# Allegro board LED_FIN.brd (continued)
## Routing (per net, layer and track width the routed paths; a pad name or vN(x,y) marks a point on that pad's centre or on a via; arc(x,y) is an arc through that point) (continued)
ROW_OUT_B17: length 240
  TOP w0.6: D5161.3 D5162.3 D5163.3 D5164.3 D5165.3 D5166.3 D5167.3 D5168.3 D5169.3 D5170.3 D5171.3 D5172.3 D5173.3 D5174.3 D5175.3 D5176.3 D5177.3 D5178.3 D5179.3 D5180.3 D5181.3 D5182.3 D5183.3 D5184.3 D5185.3 D5186.3 D5187.3 D5188.3 D5189.3 D5190.3 D6301.3 D6302.3 D6303.3 D6304.3 D6305.3 D6306.3 D6307.3 D6308.3 D6309.3 D6310.3 D6311.3 D6312.3 D6313.3 D6314.3 D6315.3 D6316.3 D6317.3 D6318.3 D6319.3 D6320.3 D6321.3 D6322.3 D6323.3 D6324.3 D6325.3 D6326.3 D6327.3 D6328.3 D6329.3 D6330.3 D7441.3 D7442.3 D7443.3 D7444.3 D7445.3 D7446.3 D7447.3 D7448.3 D7449.3 D7450.3 D7451.3 D7452.3 D7453.3 D7454.3 D7455.3 D7456.3 D7457.3 D7458.3 D7459.3 D7460.3 D7461.3 D7462.3 D7463.3 D7464.3 D7465.3 D7466.3 D7467.3 D7468.3 D7469.3 D7470.3 D8581.3 D8582.3 D8583.3 D8584.3 D8585.3 D8586.3 D8587.3 D8588.3 D8589.3 D8590.3 D8591.3 D8592.3 D8593.3 D8594.3 D8595.3 D8596.3 D8597.3 D8598.3 D8599.3 D8600.3 D8601.3 D8602.3 D8603.3 D8604.3 D8605.3 D8606.3 D8607.3 D8608.3 D8609.3 D8610.3 276.75,277.7 U59.1
ROW_OUT_B18: length 240
  TOP w0.6: U58.1 276.75,279.7 D8580.3 D8579.3 D8578.3 D8577.3 D8576.3 D8575.3 D8574.3 D8573.3 D8572.3 D8571.3 D8570.3 D8569.3 D8568.3 D8567.3 D8566.3 D8565.3 D8564.3 D8563.3 D8562.3 D8561.3 D8560.3 D8559.3 D8558.3 D8557.3 D8556.3 D8555.3 D8554.3 D8553.3 D8552.3 D8551.3 D7440.3 D7439.3 D7438.3 D7437.3 D7436.3 D7435.3 D7434.3 D7433.3 D7432.3 D7431.3 D7430.3 D7429.3 D7428.3 D7427.3 D7426.3 D7425.3 D7424.3 D7423.3 D7422.3 D7421.3 D7420.3 D7419.3 D7418.3 D7417.3 D7416.3 D7415.3 D7414.3 D7413.3 D7412.3 D7411.3 D6300.3 D6299.3 D6298.3 D6297.3 D6296.3 D6295.3 D6294.3 D6293.3 D6292.3 D6291.3 D6290.3 D6289.3 D6288.3 D6287.3 D6286.3 D6285.3 D6284.3 D6283.3 D6282.3 D6281.3 D6280.3 D6279.3 D6278.3 D6277.3 D6276.3 D6275.3 D6274.3 D6273.3 D6272.3 D6271.3 D5160.3 D5159.3 D5158.3 D5157.3 D5156.3 D5155.3 D5154.3 D5153.3 D5152.3 D5151.3 D5150.3 D5149.3 D5148.3 D5147.3 D5146.3 D5145.3 D5144.3 D5143.3 D5142.3 D5141.3 D5140.3 D5139.3 D5138.3 D5137.3 D5136.3 D5135.3 D5134.3 D5133.3 D5132.3 D5131.3
ROW_OUT_B19: length 240
  TOP w0.6: D5101.3 D5102.3 D5103.3 D5104.3 D5105.3 D5106.3 D5107.3 D5108.3 D5109.3 D5110.3 D5111.3 D5112.3 D5113.3 D5114.3 D5115.3 D5116.3 D5117.3 D5118.3 D5119.3 D5120.3 D5121.3 D5122.3 D5123.3 D5124.3 D5125.3 D5126.3 D5127.3 D5128.3 D5129.3 D5130.3 D6241.3 D6242.3 D6243.3 D6244.3 D6245.3 D6246.3 D6247.3 D6248.3 D6249.3 D6250.3 D6251.3 D6252.3 D6253.3 D6254.3 D6255.3 D6256.3 D6257.3 D6258.3 D6259.3 D6260.3 D6261.3 D6262.3 D6263.3 D6264.3 D6265.3 D6266.3 D6267.3 D6268.3 D6269.3 D6270.3 D7381.3 D7382.3 D7383.3 D7384.3 D7385.3 D7386.3 D7387.3 D7388.3 D7389.3 D7390.3 D7391.3 D7392.3 D7393.3 D7394.3 D7395.3 D7396.3 D7397.3 D7398.3 D7399.3 D7400.3 D7401.3 D7402.3 D7403.3 D7404.3 D7405.3 D7406.3 D7407.3 D7408.3 D7409.3 D7410.3 D8521.3 D8522.3 D8523.3 D8524.3 D8525.3 D8526.3 D8527.3 D8528.3 D8529.3 D8530.3 D8531.3 D8532.3 D8533.3 D8534.3 D8535.3 D8536.3 D8537.3 D8538.3 D8539.3 D8540.3 D8541.3 D8542.3 D8543.3 D8544.3 D8545.3 D8546.3 D8547.3 D8548.3 D8549.3 D8550.3 276.75,281.7 U57.1
ROW_OUT_B20: length 240
  TOP w0.6: U56.1 276.75,283.7 D8520.3 D8519.3 D8518.3 D8517.3 D8516.3 D8515.3 D8514.3 D8513.3 D8512.3 D8511.3 D8510.3 D8509.3 D8508.3 D8507.3 D8506.3 D8505.3 D8504.3 D8503.3 D8502.3 D8501.3 D8500.3 D8499.3 D8498.3 D8497.3 D8496.3 D8495.3 D8494.3 D8493.3 D8492.3 D8491.3 D7380.3 D7379.3 D7378.3 D7377.3 D7376.3 D7375.3 D7374.3 D7373.3 D7372.3 D7371.3 D7370.3 D7369.3 D7368.3 D7367.3 D7366.3 D7365.3 D7364.3 D7363.3 D7362.3 D7361.3 D7360.3 D7359.3 D7358.3 D7357.3 D7356.3 D7355.3 D7354.3 D7353.3 D7352.3 D7351.3 D6240.3 D6239.3 D6238.3 D6237.3 D6236.3 D6235.3 D6234.3 D6233.3 D6232.3 D6231.3 D6230.3 D6229.3 D6228.3 D6227.3 D6226.3 D6225.3 D6224.3 D6223.3 D6222.3 D6221.3 D6220.3 D6219.3 D6218.3 D6217.3 D6216.3 D6215.3 D6214.3 D6213.3 D6212.3 D6211.3 D5100.3 D5099.3 D5098.3 D5097.3 D5096.3 D5095.3 D5094.3 D5093.3 D5092.3 D5091.3 D5090.3 D5089.3 D5088.3 D5087.3 D5086.3 D5085.3 D5084.3 D5083.3 D5082.3 D5081.3 D5080.3 D5079.3 D5078.3 D5077.3 D5076.3 D5075.3 D5074.3 D5073.3 D5072.3 D5071.3
ROW_OUT_B21: length 240
  TOP w0.6: U55.1 276.75,285.7 D8490.3 D8489.3 D8488.3 D8487.3 D8486.3 D8485.3 D8484.3 D8483.3 D8482.3 D8481.3 D8480.3 D8479.3 D8478.3 D8477.3 D8476.3 D8475.3 D8474.3 D8473.3 D8472.3 D8471.3 D8470.3 D8469.3 D8468.3 D8467.3 D8466.3 D8465.3 D8464.3 D8463.3 D8462.3 D8461.3 D7350.3 D7349.3 D7348.3 D7347.3 D7346.3 D7345.3 D7344.3 D7343.3 D7342.3 D7341.3 D7340.3 D7339.3 D7338.3 D7337.3 D7336.3 D7335.3 D7334.3 D7333.3 D7332.3 D7331.3 D7330.3 D7329.3 D7328.3 D7327.3 D7326.3 D7325.3 D7324.3 D7323.3 D7322.3 D7321.3 D6210.3 D6209.3 D6208.3 D6207.3 D6206.3 D6205.3 D6204.3 D6203.3 D6202.3 D6201.3 D6200.3 D6199.3 D6198.3 D6197.3 D6196.3 D6195.3 D6194.3 D6193.3 D6192.3 D6191.3 D6190.3 D6189.3 D6188.3 D6187.3 D6186.3 D6185.3 D6184.3 D6183.3 D6182.3 D6181.3 D5070.3 D5069.3 D5068.3 D5067.3 D5066.3 D5065.3 D5064.3 D5063.3 D5062.3 D5061.3 D5060.3 D5059.3 D5058.3 D5057.3 D5056.3 D5055.3 D5054.3 D5053.3 D5052.3 D5051.3 D5050.3 D5049.3 D5048.3 D5047.3 D5046.3 D5045.3 D5044.3 D5043.3 D5042.3 D5041.3
ROW_OUT_B22: length 240
  TOP w0.6: U54.1 276.75,287.7 D8460.3 D8459.3 D8458.3 D8457.3 D8456.3 D8455.3 D8454.3 D8453.3 D8452.3 D8451.3 D8450.3 D8449.3 D8448.3 D8447.3 D8446.3 D8445.3 D8444.3 D8443.3 D8442.3 D8441.3 D8440.3 D8439.3 D8438.3 D8437.3 D8436.3 D8435.3 D8434.3 D8433.3 D8432.3 D8431.3 D7320.3 D7319.3 D7318.3 D7317.3 D7316.3 D7315.3 D7314.3 D7313.3 D7312.3 D7311.3 D7310.3 D7309.3 D7308.3 D7307.3 D7306.3 D7305.3 D7304.3 D7303.3 D7302.3 D7301.3 D7300.3 D7299.3 D7298.3 D7297.3 D7296.3 D7295.3 D7294.3 D7293.3 D7292.3 D7291.3 D6180.3 D6179.3 D6178.3 D6177.3 D6176.3 D6175.3 D6174.3 D6173.3 D6172.3 D6171.3 D6170.3 D6169.3 D6168.3 D6167.3 D6166.3 D6165.3 D6164.3 D6163.3 D6162.3 D6161.3 D6160.3 D6159.3 D6158.3 D6157.3 D6156.3 D6155.3 D6154.3 D6153.3 D6152.3 D6151.3 D5040.3 D5039.3 D5038.3 D5037.3 D5036.3 D5035.3 D5034.3 D5033.3 D5032.3 D5031.3 D5030.3 D5029.3 D5028.3 D5027.3 D5026.3 D5025.3 D5024.3 D5023.3 D5022.3 D5021.3 D5020.3 D5019.3 D5018.3 D5017.3 D5016.3 D5015.3 D5014.3 D5013.3 D5012.3 D5011.3
ROW_OUT_B23: length 240
  TOP w0.6: D4981.3 D4982.3 D4983.3 D4984.3 D4985.3 D4986.3 D4987.3 D4988.3 D4989.3 D4990.3 D4991.3 D4992.3 D4993.3 D4994.3 D4995.3 D4996.3 D4997.3 D4998.3 D4999.3 D5000.3 D5001.3 D5002.3 D5003.3 D5004.3 D5005.3 D5006.3 D5007.3 D5008.3 D5009.3 D5010.3 D6121.3 D6122.3 D6123.3 D6124.3 D6125.3 D6126.3 D6127.3 D6128.3 D6129.3 D6130.3 D6131.3 D6132.3 D6133.3 D6134.3 D6135.3 D6136.3 D6137.3 D6138.3 D6139.3 D6140.3 D6141.3 D6142.3 D6143.3 D6144.3 D6145.3 D6146.3 D6147.3 D6148.3 D6149.3 D6150.3 D7261.3 D7262.3 D7263.3 D7264.3 D7265.3 D7266.3 D7267.3 D7268.3 D7269.3 D7270.3 D7271.3 D7272.3 D7273.3 D7274.3 D7275.3 D7276.3 D7277.3 D7278.3 D7279.3 D7280.3 D7281.3 D7282.3 D7283.3 D7284.3 D7285.3 D7286.3 D7287.3 D7288.3 D7289.3 D7290.3 D8401.3 D8402.3 D8403.3 D8404.3 D8405.3 D8406.3 D8407.3 D8408.3 D8409.3 D8410.3 D8411.3 D8412.3 D8413.3 D8414.3 D8415.3 D8416.3 D8417.3 D8418.3 D8419.3 D8420.3 D8421.3 D8422.3 D8423.3 D8424.3 D8425.3 D8426.3 D8427.3 D8428.3 D8429.3 D8430.3 276.75,289.7 U53.1
ROW_OUT_B24: length 240
  TOP w0.6: D4951.3 D4952.3 D4953.3 D4954.3 D4955.3 D4956.3 D4957.3 D4958.3 D4959.3 D4960.3 D4961.3 D4962.3 D4963.3 D4964.3 D4965.3 D4966.3 D4967.3 D4968.3 D4969.3 D4970.3 D4971.3 D4972.3 D4973.3 D4974.3 D4975.3 D4976.3 D4977.3 D4978.3 D4979.3 D4980.3 D6091.3 D6092.3 D6093.3 D6094.3 D6095.3 D6096.3 D6097.3 D6098.3 D6099.3 D6100.3 D6101.3 D6102.3 D6103.3 D6104.3 D6105.3 D6106.3 D6107.3 D6108.3 D6109.3 D6110.3 D6111.3 D6112.3 D6113.3 D6114.3 D6115.3 D6116.3 D6117.3 D6118.3 D6119.3 D6120.3 D7231.3 D7232.3 D7233.3 D7234.3 D7235.3 D7236.3 D7237.3 D7238.3 D7239.3 D7240.3 D7241.3 D7242.3 D7243.3 D7244.3 D7245.3 D7246.3 D7247.3 D7248.3 D7249.3 D7250.3 D7251.3 D7252.3 D7253.3 D7254.3 D7255.3 D7256.3 D7257.3 D7258.3 D7259.3 D7260.3 D8371.3 D8372.3 D8373.3 D8374.3 D8375.3 D8376.3 D8377.3 D8378.3 D8379.3 D8380.3 D8381.3 D8382.3 D8383.3 D8384.3 D8385.3 D8386.3 D8387.3 D8388.3 D8389.3 D8390.3 D8391.3 D8392.3 D8393.3 D8394.3 D8395.3 D8396.3 D8397.3 D8398.3 D8399.3 D8400.3 276.75,291.7 U52.1
ROW_OUT_B25: length 240
  TOP w0.6: U51.1 276.75,293.7 D8370.3 D8369.3 D8368.3 D8367.3 D8366.3 D8365.3 D8364.3 D8363.3 D8362.3 D8361.3 D8360.3 D8359.3 D8358.3 D8357.3 D8356.3 D8355.3 D8354.3 D8353.3 D8352.3 D8351.3 D8350.3 D8349.3 D8348.3 D8347.3 D8346.3 D8345.3 D8344.3 D8343.3 D8342.3 D8341.3 D7230.3 D7229.3 D7228.3 D7227.3 D7226.3 D7225.3 D7224.3 D7223.3 D7222.3 D7221.3 D7220.3 D7219.3 D7218.3 D7217.3 D7216.3 D7215.3 D7214.3 D7213.3 D7212.3 D7211.3 D7210.3 D7209.3 D7208.3 D7207.3 D7206.3 D7205.3 D7204.3 D7203.3 D7202.3 D7201.3 D6090.3 D6089.3 D6088.3 D6087.3 D6086.3 D6085.3 D6084.3 D6083.3 D6082.3 D6081.3 D6080.3 D6079.3 D6078.3 D6077.3 D6076.3 D6075.3 D6074.3 D6073.3 D6072.3 D6071.3 D6070.3 D6069.3 D6068.3 D6067.3 D6066.3 D6065.3 D6064.3 D6063.3 D6062.3 D6061.3 D4950.3 D4949.3 D4948.3 D4947.3 D4946.3 D4945.3 D4944.3 D4943.3 D4942.3 D4941.3 D4940.3 D4939.3 D4938.3 D4937.3 D4936.3 D4935.3 D4934.3 D4933.3 D4932.3 D4931.3 D4930.3 D4929.3 D4928.3 D4927.3 D4926.3 D4925.3 D4924.3 D4923.3 D4922.3 D4921.3
ROW_OUT_B26: length 240
  TOP w0.6: U50.1 276.75,295.7 D8340.3 D8339.3 D8338.3 D8337.3 D8336.3 D8335.3 D8334.3 D8333.3 D8332.3 D8331.3 D8330.3 D8329.3 D8328.3 D8327.3 D8326.3 D8325.3 D8324.3 D8323.3 D8322.3 D8321.3 D8320.3 D8319.3 D8318.3 D8317.3 D8316.3 D8315.3 D8314.3 D8313.3 D8312.3 D8311.3 D7200.3 D7199.3 D7198.3 D7197.3 D7196.3 D7195.3 D7194.3 D7193.3 D7192.3 D7191.3 D7190.3 D7189.3 D7188.3 D7187.3 D7186.3 D7185.3 D7184.3 D7183.3 D7182.3 D7181.3 D7180.3 D7179.3 D7178.3 D7177.3 D7176.3 D7175.3 D7174.3 D7173.3 D7172.3 D7171.3 D6060.3 D6059.3 D6058.3 D6057.3 D6056.3 D6055.3 D6054.3 D6053.3 D6052.3 D6051.3 D6050.3 D6049.3 D6048.3 D6047.3 D6046.3 D6045.3 D6044.3 D6043.3 D6042.3 D6041.3 D6040.3 D6039.3 D6038.3 D6037.3 D6036.3 D6035.3 D6034.3 D6033.3 D6032.3 D6031.3 D4920.3 D4919.3 D4918.3 D4917.3 D4916.3 D4915.3 D4914.3 D4913.3 D4912.3 D4911.3 D4910.3 D4909.3 D4908.3 D4907.3 D4906.3 D4905.3 D4904.3 D4903.3 D4902.3 D4901.3 D4900.3 D4899.3 D4898.3 D4897.3 D4896.3 D4895.3 D4894.3 D4893.3 D4892.3 D4891.3
ROW_OUT_B27: length 240
  TOP w0.6: U49.1 276.75,297.7 D8310.3 D8309.3 D8308.3 D8307.3 D8306.3 D8305.3 D8304.3 D8303.3 D8302.3 D8301.3 D8300.3 D8299.3 D8298.3 D8297.3 D8296.3 D8295.3 D8294.3 D8293.3 D8292.3 D8291.3 D8290.3 D8289.3 D8288.3 D8287.3 D8286.3 D8285.3 D8284.3 D8283.3 D8282.3 D8281.3 D7170.3 D7169.3 D7168.3 D7167.3 D7166.3 D7165.3 D7164.3 D7163.3 D7162.3 D7161.3 D7160.3 D7159.3 D7158.3 D7157.3 D7156.3 D7155.3 D7154.3 D7153.3 D7152.3 D7151.3 D7150.3 D7149.3 D7148.3 D7147.3 D7146.3 D7145.3 D7144.3 D7143.3 D7142.3 D7141.3 D6030.3 D6029.3 D6028.3 D6027.3 D6026.3 D6025.3 D6024.3 D6023.3 D6022.3 D6021.3 D6020.3 D6019.3 D6018.3 D6017.3 D6016.3 D6015.3 D6014.3 D6013.3 D6012.3 D6011.3 D6010.3 D6009.3 D6008.3 D6007.3 D6006.3 D6005.3 D6004.3 D6003.3 D6002.3 D6001.3 D4890.3 D4889.3 D4888.3 D4887.3 D4886.3 D4885.3 D4884.3 D4883.3 D4882.3 D4881.3 D4880.3 D4879.3 D4878.3 D4877.3 D4876.3 D4875.3 D4874.3 D4873.3 D4872.3 D4871.3 D4870.3 D4869.3 D4868.3 D4867.3 D4866.3 D4865.3 D4864.3 D4863.3 D4862.3 D4861.3
ROW_OUT_B28: length 240
  TOP w0.6: D4831.3 D4832.3 D4833.3 D4834.3 D4835.3 D4836.3 D4837.3 D4838.3 D4839.3 D4840.3 D4841.3 D4842.3 D4843.3 D4844.3 D4845.3 D4846.3 D4847.3 D4848.3 D4849.3 D4850.3 D4851.3 D4852.3 D4853.3 D4854.3 D4855.3 D4856.3 D4857.3 D4858.3 D4859.3 D4860.3 D5971.3 D5972.3 D5973.3 D5974.3 D5975.3 D5976.3 D5977.3 D5978.3 D5979.3 D5980.3 D5981.3 D5982.3 D5983.3 D5984.3 D5985.3 D5986.3 D5987.3 D5988.3 D5989.3 D5990.3 D5991.3 D5992.3 D5993.3 D5994.3 D5995.3 D5996.3 D5997.3 D5998.3 D5999.3 D6000.3 D7111.3 D7112.3 D7113.3 D7114.3 D7115.3 D7116.3 D7117.3 D7118.3 D7119.3 D7120.3 D7121.3 D7122.3 D7123.3 D7124.3 D7125.3 D7126.3 D7127.3 D7128.3 D7129.3 D7130.3 D7131.3 D7132.3 D7133.3 D7134.3 D7135.3 D7136.3 D7137.3 D7138.3 D7139.3 D7140.3 D8251.3 D8252.3 D8253.3 D8254.3 D8255.3 D8256.3 D8257.3 D8258.3 D8259.3 D8260.3 D8261.3 D8262.3 D8263.3 D8264.3 D8265.3 D8266.3 D8267.3 D8268.3 D8269.3 D8270.3 D8271.3 D8272.3 D8273.3 D8274.3 D8275.3 D8276.3 D8277.3 D8278.3 D8279.3 D8280.3 276.75,299.7 U48.1
ROW_OUT_B29: length 240
  TOP w0.6: U47.1 276.75,301.7 D8250.3 D8249.3 D8248.3 D8247.3 D8246.3 D8245.3 D8244.3 D8243.3 D8242.3 D8241.3 D8240.3 D8239.3 D8238.3 D8237.3 D8236.3 D8235.3 D8234.3 D8233.3 D8232.3 D8231.3 D8230.3 D8229.3 D8228.3 D8227.3 D8226.3 D8225.3 D8224.3 D8223.3 D8222.3 D8221.3 D7110.3 D7109.3 D7108.3 D7107.3 D7106.3 D7105.3 D7104.3 D7103.3 D7102.3 D7101.3 D7100.3 D7099.3 D7098.3 D7097.3 D7096.3 D7095.3 D7094.3 D7093.3 D7092.3 D7091.3 D7090.3 D7089.3 D7088.3 D7087.3 D7086.3 D7085.3 D7084.3 D7083.3 D7082.3 D7081.3 D5970.3 D5969.3 D5968.3 D5967.3 D5966.3 D5965.3 D5964.3 D5963.3 D5962.3 D5961.3 D5960.3 D5959.3 D5958.3 D5957.3 D5956.3 D5955.3 D5954.3 D5953.3 D5952.3 D5951.3 D5950.3 D5949.3 D5948.3 D5947.3 D5946.3 D5945.3 D5944.3 D5943.3 D5942.3 D5941.3 D4830.3 D4829.3 D4828.3 D4827.3 D4826.3 D4825.3 D4824.3 D4823.3 D4822.3 D4821.3 D4820.3 D4819.3 D4818.3 D4817.3 D4816.3 D4815.3 D4814.3 D4813.3 D4812.3 D4811.3 D4810.3 D4809.3 D4808.3 D4807.3 D4806.3 D4805.3 D4804.3 D4803.3 D4802.3 D4801.3
ROW_OUT_B30: length 240
  TOP w0.6: U46.1 276.75,303.7 D8220.3 D8219.3 D8218.3 D8217.3 D8216.3 D8215.3 D8214.3 D8213.3 D8212.3 D8211.3 D8210.3 D8209.3 D8208.3 D8207.3 D8206.3 D8205.3 D8204.3 D8203.3 D8202.3 D8201.3 D8200.3 D8199.3 D8198.3 D8197.3 D8196.3 D8195.3 D8194.3 D8193.3 D8192.3 D8191.3 D7080.3 D7079.3 D7078.3 D7077.3 D7076.3 D7075.3 D7074.3 D7073.3 D7072.3 D7071.3 D7070.3 D7069.3 D7068.3 D7067.3 D7066.3 D7065.3 D7064.3 D7063.3 D7062.3 D7061.3 D7060.3 D7059.3 D7058.3 D7057.3 D7056.3 D7055.3 D7054.3 D7053.3 D7052.3 D7051.3 D5940.3 D5939.3 D5938.3 D5937.3 D5936.3 D5935.3 D5934.3 D5933.3 D5932.3 D5931.3 D5930.3 D5929.3 D5928.3 D5927.3 D5926.3 D5925.3 D5924.3 D5923.3 D5922.3 D5921.3 D5920.3 D5919.3 D5918.3 D5917.3 D5916.3 D5915.3 D5914.3 D5913.3 D5912.3 D5911.3 D4800.3 D4799.3 D4798.3 D4797.3 D4796.3 D4795.3 D4794.3 D4793.3 D4792.3 D4791.3 D4790.3 D4789.3 D4788.3 D4787.3 D4786.3 D4785.3 D4784.3 D4783.3 D4782.3 D4781.3 D4780.3 D4779.3 D4778.3 D4777.3 D4776.3 D4775.3 D4774.3 D4773.3 D4772.3 D4771.3
ROW_OUT_B31: length 240
  TOP w0.6: U45.1 276.75,305.7 D8190.3 D8189.3 D8188.3 D8187.3 D8186.3 D8185.3 D8184.3 D8183.3 D8182.3 D8181.3 D8180.3 D8179.3 D8178.3 D8177.3 D8176.3 D8175.3 D8174.3 D8173.3 D8172.3 D8171.3 D8170.3 D8169.3 D8168.3 D8167.3 D8166.3 D8165.3 D8164.3 D8163.3 D8162.3 D8161.3 D7050.3 D7049.3 D7048.3 D7047.3 D7046.3 D7045.3 D7044.3 D7043.3 D7042.3 D7041.3 D7040.3 D7039.3 D7038.3 D7037.3 D7036.3 D7035.3 D7034.3 D7033.3 D7032.3 D7031.3 D7030.3 D7029.3 D7028.3 D7027.3 D7026.3 D7025.3 D7024.3 D7023.3 D7022.3 D7021.3 D5910.3 D5909.3 D5908.3 D5907.3 D5906.3 D5905.3 D5904.3 D5903.3 D5902.3 D5901.3 D5900.3 D5899.3 D5898.3 D5897.3 D5896.3 D5895.3 D5894.3 D5893.3 D5892.3 D5891.3 D5890.3 D5889.3 D5888.3 D5887.3 D5886.3 D5885.3 D5884.3 D5883.3 D5882.3 D5881.3 D4770.3 D4769.3 D4768.3 D4767.3 D4766.3 D4765.3 D4764.3 D4763.3 D4762.3 D4761.3 D4760.3 D4759.3 D4758.3 D4757.3 D4756.3 D4755.3 D4754.3 D4753.3 D4752.3 D4751.3 D4750.3 D4749.3 D4748.3 D4747.3 D4746.3 D4745.3 D4744.3 D4743.3 D4742.3 D4741.3
ROW_OUT_B32: length 240
  TOP w0.6: D4711.3 D4712.3 D4713.3 D4714.3 D4715.3 D4716.3 D4717.3 D4718.3 D4719.3 D4720.3 D4721.3 D4722.3 D4723.3 D4724.3 D4725.3 D4726.3 D4727.3 D4728.3 D4729.3 D4730.3 D4731.3 D4732.3 D4733.3 D4734.3 D4735.3 D4736.3 D4737.3 D4738.3 D4739.3 D4740.3 D5851.3 D5852.3 D5853.3 D5854.3 D5855.3 D5856.3 D5857.3 D5858.3 D5859.3 D5860.3 D5861.3 D5862.3 D5863.3 D5864.3 D5865.3 D5866.3 D5867.3 D5868.3 D5869.3 D5870.3 D5871.3 D5872.3 D5873.3 D5874.3 D5875.3 D5876.3 D5877.3 D5878.3 D5879.3 D5880.3 D6991.3 D6992.3 D6993.3 D6994.3 D6995.3 D6996.3 D6997.3 D6998.3 D6999.3 D7000.3 D7001.3 D7002.3 D7003.3 D7004.3 D7005.3 D7006.3 D7007.3 D7008.3 D7009.3 D7010.3 D7011.3 D7012.3 D7013.3 D7014.3 D7015.3 D7016.3 D7017.3 D7018.3 D7019.3 D7020.3 D8131.3 D8132.3 D8133.3 D8134.3 D8135.3 D8136.3 D8137.3 D8138.3 D8139.3 D8140.3 D8141.3 D8142.3 D8143.3 D8144.3 D8145.3 D8146.3 D8147.3 D8148.3 D8149.3 D8150.3 D8151.3 D8152.3 D8153.3 D8154.3 D8155.3 D8156.3 D8157.3 D8158.3 D8159.3 D8160.3 276.75,307.7 U44.1
ROW_OUT_B33: length 240
  TOP w0.6: U43.1 276.75,309.7 D8130.3 D8129.3 D8128.3 D8127.3 D8126.3 D8125.3 D8124.3 D8123.3 D8122.3 D8121.3 D8120.3 D8119.3 D8118.3 D8117.3 D8116.3 D8115.3 D8114.3 D8113.3 D8112.3 D8111.3 D8110.3 D8109.3 D8108.3 D8107.3 D8106.3 D8105.3 D8104.3 D8103.3 D8102.3 D8101.3 D6990.3 D6989.3 D6988.3 D6987.3 D6986.3 D6985.3 D6984.3 D6983.3 D6982.3 D6981.3 D6980.3 D6979.3 D6978.3 D6977.3 D6976.3 D6975.3 D6974.3 D6973.3 D6972.3 D6971.3 D6970.3 D6969.3 D6968.3 D6967.3 D6966.3 D6965.3 D6964.3 D6963.3 D6962.3 D6961.3 D5850.3 D5849.3 D5848.3 D5847.3 D5846.3 D5845.3 D5844.3 D5843.3 D5842.3 D5841.3 D5840.3 D5839.3 D5838.3 D5837.3 D5836.3 D5835.3 D5834.3 D5833.3 D5832.3 D5831.3 D5830.3 D5829.3 D5828.3 D5827.3 D5826.3 D5825.3 D5824.3 D5823.3 D5822.3 D5821.3 D4710.3 D4709.3 D4708.3 D4707.3 D4706.3 D4705.3 D4704.3 D4703.3 D4702.3 D4701.3 D4700.3 D4699.3 D4698.3 D4697.3 D4696.3 D4695.3 D4694.3 D4693.3 D4692.3 D4691.3 D4690.3 D4689.3 D4688.3 D4687.3 D4686.3 D4685.3 D4684.3 D4683.3 D4682.3 D4681.3
ROW_OUT_B34: length 240
  TOP w0.6: U42.1 276.75,311.7 D8100.3 D8099.3 D8098.3 D8097.3 D8096.3 D8095.3 D8094.3 D8093.3 D8092.3 D8091.3 D8090.3 D8089.3 D8088.3 D8087.3 D8086.3 D8085.3 D8084.3 D8083.3 D8082.3 D8081.3 D8080.3 D8079.3 D8078.3 D8077.3 D8076.3 D8075.3 D8074.3 D8073.3 D8072.3 D8071.3 D6960.3 D6959.3 D6958.3 D6957.3 D6956.3 D6955.3 D6954.3 D6953.3 D6952.3 D6951.3 D6950.3 D6949.3 D6948.3 D6947.3 D6946.3 D6945.3 D6944.3 D6943.3 D6942.3 D6941.3 D6940.3 D6939.3 D6938.3 D6937.3 D6936.3 D6935.3 D6934.3 D6933.3 D6932.3 D6931.3 D5820.3 D5819.3 D5818.3 D5817.3 D5816.3 D5815.3 D5814.3 D5813.3 D5812.3 D5811.3 D5810.3 D5809.3 D5808.3 D5807.3 D5806.3 D5805.3 D5804.3 D5803.3 D5802.3 D5801.3 D5800.3 D5799.3 D5798.3 D5797.3 D5796.3 D5795.3 D5794.3 D5793.3 D5792.3 D5791.3 D4680.3 D4679.3 D4678.3 D4677.3 D4676.3 D4675.3 D4674.3 D4673.3 D4672.3 D4671.3 D4670.3 D4669.3 D4668.3 D4667.3 D4666.3 D4665.3 D4664.3 D4663.3 D4662.3 D4661.3 D4660.3 D4659.3 D4658.3 D4657.3 D4656.3 D4655.3 D4654.3 D4653.3 D4652.3 D4651.3
ROW_OUT_B35: length 240
  TOP w0.6: D4621.3 D4622.3 D4623.3 D4624.3 D4625.3 D4626.3 D4627.3 D4628.3 D4629.3 D4630.3 D4631.3 D4632.3 D4633.3 D4634.3 D4635.3 D4636.3 D4637.3 D4638.3 D4639.3 D4640.3 D4641.3 D4642.3 D4643.3 D4644.3 D4645.3 D4646.3 D4647.3 D4648.3 D4649.3 D4650.3 D5761.3 D5762.3 D5763.3 D5764.3 D5765.3 D5766.3 D5767.3 D5768.3 D5769.3 D5770.3 D5771.3 D5772.3 D5773.3 D5774.3 D5775.3 D5776.3 D5777.3 D5778.3 D5779.3 D5780.3 D5781.3 D5782.3 D5783.3 D5784.3 D5785.3 D5786.3 D5787.3 D5788.3 D5789.3 D5790.3 D6901.3 D6902.3 D6903.3 D6904.3 D6905.3 D6906.3 D6907.3 D6908.3 D6909.3 D6910.3 D6911.3 D6912.3 D6913.3 D6914.3 D6915.3 D6916.3 D6917.3 D6918.3 D6919.3 D6920.3 D6921.3 D6922.3 D6923.3 D6924.3 D6925.3 D6926.3 D6927.3 D6928.3 D6929.3 D6930.3 D8041.3 D8042.3 D8043.3 D8044.3 D8045.3 D8046.3 D8047.3 D8048.3 D8049.3 D8050.3 D8051.3 D8052.3 D8053.3 D8054.3 D8055.3 D8056.3 D8057.3 D8058.3 D8059.3 D8060.3 D8061.3 D8062.3 D8063.3 D8064.3 D8065.3 D8066.3 D8067.3 D8068.3 D8069.3 D8070.3 276.75,313.7 U41.1
ROW_OUT_B36: length 240
  TOP w0.6: U40.1 276.75,315.7 D8040.3 D8039.3 D8038.3 D8037.3 D8036.3 D8035.3 D8034.3 D8033.3 D8032.3 D8031.3 D8030.3 D8029.3 D8028.3 D8027.3 D8026.3 D8025.3 D8024.3 D8023.3 D8022.3 D8021.3 D8020.3 D8019.3 D8018.3 D8017.3 D8016.3 D8015.3 D8014.3 D8013.3 D8012.3 D8011.3 D6900.3 D6899.3 D6898.3 D6897.3 D6896.3 D6895.3 D6894.3 D6893.3 D6892.3 D6891.3 D6890.3 D6889.3 D6888.3 D6887.3 D6886.3 D6885.3 D6884.3 D6883.3 D6882.3 D6881.3 D6880.3 D6879.3 D6878.3 D6877.3 D6876.3 D6875.3 D6874.3 D6873.3 D6872.3 D6871.3 D5760.3 D5759.3 D5758.3 D5757.3 D5756.3 D5755.3 D5754.3 D5753.3 D5752.3 D5751.3 D5750.3 D5749.3 D5748.3 D5747.3 D5746.3 D5745.3 D5744.3 D5743.3 D5742.3 D5741.3 D5740.3 D5739.3 D5738.3 D5737.3 D5736.3 D5735.3 D5734.3 D5733.3 D5732.3 D5731.3 D4620.3 D4619.3 D4618.3 D4617.3 D4616.3 D4615.3 D4614.3 D4613.3 D4612.3 D4611.3 D4610.3 D4609.3 D4608.3 D4607.3 D4606.3 D4605.3 D4604.3 D4603.3 D4602.3 D4601.3 D4600.3 D4599.3 D4598.3 D4597.3 D4596.3 D4595.3 D4594.3 D4593.3 D4592.3 D4591.3
ROW_OUT_B37: length 240
  TOP w0.6: D4561.3 D4562.3 D4563.3 D4564.3 D4565.3 D4566.3 D4567.3 D4568.3 D4569.3 D4570.3 D4571.3 D4572.3 D4573.3 D4574.3 D4575.3 D4576.3 D4577.3 D4578.3 D4579.3 D4580.3 D4581.3 D4582.3 D4583.3 D4584.3 D4585.3 D4586.3 D4587.3 D4588.3 D4589.3 D4590.3 D5701.3 D5702.3 D5703.3 D5704.3 D5705.3 D5706.3 D5707.3 D5708.3 D5709.3 D5710.3 D5711.3 D5712.3 D5713.3 D5714.3 D5715.3 D5716.3 D5717.3 D5718.3 D5719.3 D5720.3 D5721.3 D5722.3 D5723.3 D5724.3 D5725.3 D5726.3 D5727.3 D5728.3 D5729.3 D5730.3 D6841.3 D6842.3 D6843.3 D6844.3 D6845.3 D6846.3 D6847.3 D6848.3 D6849.3 D6850.3 D6851.3 D6852.3 D6853.3 D6854.3 D6855.3 D6856.3 D6857.3 D6858.3 D6859.3 D6860.3 D6861.3 D6862.3 D6863.3 D6864.3 D6865.3 D6866.3 D6867.3 D6868.3 D6869.3 D6870.3 D7981.3 D7982.3 D7983.3 D7984.3 D7985.3 D7986.3 D7987.3 D7988.3 D7989.3 D7990.3 D7991.3 D7992.3 D7993.3 D7994.3 D7995.3 D7996.3 D7997.3 D7998.3 D7999.3 D8000.3 D8001.3 D8002.3 D8003.3 D8004.3 D8005.3 D8006.3 D8007.3 D8008.3 D8009.3 D8010.3 276.75,317.7 U39.1
ROW_OUT_C0: length 240
  TOP w0.6: D13680.3 D13679.3 D13678.3 D13677.3 D13676.3 D13675.3 D13674.3 D13673.3 D13672.3 D13671.3 D13670.3 D13669.3 D13668.3 D13667.3 D13666.3 D13665.3 D13664.3 D13663.3 D13662.3 D13661.3 D13660.3 D13659.3 D13658.3 D13657.3 D13656.3 D13655.3 D13654.3 D13653.3 D13652.3 D13651.3 D12540.3 D12539.3 D12538.3 D12537.3 D12536.3 D12535.3 D12534.3 D12533.3 D12532.3 D12531.3 D12530.3 D12529.3 D12528.3 D12527.3 D12526.3 D12525.3 D12524.3 D12523.3 D12522.3 D12521.3 D12520.3 D12519.3 D12518.3 D12517.3 D12516.3 D12515.3 D12514.3 D12513.3 D12512.3 D12511.3 D11400.3 D11399.3 D11398.3 D11397.3 D11396.3 D11395.3 D11394.3 D11393.3 D11392.3 D11391.3 D11390.3 D11389.3 D11388.3 D11387.3 D11386.3 D11385.3 D11384.3 D11383.3 D11382.3 D11381.3 D11380.3 D11379.3 D11378.3 D11377.3 D11376.3 D11375.3 D11374.3 D11373.3 D11372.3 D11371.3 D10260.3 D10259.3 D10258.3 D10257.3 D10256.3 D10255.3 D10254.3 D10253.3 D10252.3 D10251.3 D10250.3 D10249.3 D10248.3 D10247.3 D10246.3 D10245.3 D10244.3 D10243.3 D10242.3 D10241.3 D10240.3 D10239.3 D10238.3 D10237.3 D10236.3 D10235.3 D10234.3 D10233.3 D10232.3 D10231.3 38.35,167.7 U86.1
ROW_OUT_C1: length 240
  TOP w0.6: D13650.3 D13649.3 D13648.3 D13647.3 D13646.3 D13645.3 D13644.3 D13643.3 D13642.3 D13641.3 D13640.3 D13639.3 D13638.3 D13637.3 D13636.3 D13635.3 D13634.3 D13633.3 D13632.3 D13631.3 D13630.3 D13629.3 D13628.3 D13627.3 D13626.3 D13625.3 D13624.3 D13623.3 D13622.3 D13621.3 D12510.3 D12509.3 D12508.3 D12507.3 D12506.3 D12505.3 D12504.3 D12503.3 D12502.3 D12501.3 D12500.3 D12499.3 D12498.3 D12497.3 D12496.3 D12495.3 D12494.3 D12493.3 D12492.3 D12491.3 D12490.3 D12489.3 D12488.3 D12487.3 D12486.3 D12485.3 D12484.3 D12483.3 D12482.3 D12481.3 D11370.3 D11369.3 D11368.3 D11367.3 D11366.3 D11365.3 D11364.3 D11363.3 D11362.3 D11361.3 D11360.3 D11359.3 D11358.3 D11357.3 D11356.3 D11355.3 D11354.3 D11353.3 D11352.3 D11351.3 D11350.3 D11349.3 D11348.3 D11347.3 D11346.3 D11345.3 D11344.3 D11343.3 D11342.3 D11341.3 D10230.3 D10229.3 D10228.3 D10227.3 D10226.3 D10225.3 D10224.3 D10223.3 D10222.3 D10221.3 D10220.3 D10219.3 D10218.3 D10217.3 D10216.3 D10215.3 D10214.3 D10213.3 D10212.3 D10211.3 D10210.3 D10209.3 D10208.3 D10207.3 D10206.3 D10205.3 D10204.3 D10203.3 D10202.3 D10201.3 38.35,169.7 U85.1
ROW_OUT_C2: length 240
  TOP w0.6: D13620.3 D13619.3 D13618.3 D13617.3 D13616.3 D13615.3 D13614.3 D13613.3 D13612.3 D13611.3 D13610.3 D13609.3 D13608.3 D13607.3 D13606.3 D13605.3 D13604.3 D13603.3 D13602.3 D13601.3 D13600.3 D13599.3 D13598.3 D13597.3 D13596.3 D13595.3 D13594.3 D13593.3 D13592.3 D13591.3 D12480.3 D12479.3 D12478.3 D12477.3 D12476.3 D12475.3 D12474.3 D12473.3 D12472.3 D12471.3 D12470.3 D12469.3 D12468.3 D12467.3 D12466.3 D12465.3 D12464.3 D12463.3 D12462.3 D12461.3 D12460.3 D12459.3 D12458.3 D12457.3 D12456.3 D12455.3 D12454.3 D12453.3 D12452.3 D12451.3 D11340.3 D11339.3 D11338.3 D11337.3 D11336.3 D11335.3 D11334.3 D11333.3 D11332.3 D11331.3 D11330.3 D11329.3 D11328.3 D11327.3 D11326.3 D11325.3 D11324.3 D11323.3 D11322.3 D11321.3 D11320.3 D11319.3 D11318.3 D11317.3 D11316.3 D11315.3 D11314.3 D11313.3 D11312.3 D11311.3 D10200.3 D10199.3 D10198.3 D10197.3 D10196.3 D10195.3 D10194.3 D10193.3 D10192.3 D10191.3 D10190.3 D10189.3 D10188.3 D10187.3 D10186.3 D10185.3 D10184.3 D10183.3 D10182.3 D10181.3 D10180.3 D10179.3 D10178.3 D10177.3 D10176.3 D10175.3 D10174.3 D10173.3 D10172.3 D10171.3 38.35,171.7 U84.1
ROW_OUT_C3: length 240
  TOP w0.6: U83.1 38.35,173.7 D10141.3 D10142.3 D10143.3 D10144.3 D10145.3 D10146.3 D10147.3 D10148.3 D10149.3 D10150.3 D10151.3 D10152.3 D10153.3 D10154.3 D10155.3 D10156.3 D10157.3 D10158.3 D10159.3 D10160.3 D10161.3 D10162.3 D10163.3 D10164.3 D10165.3 D10166.3 D10167.3 D10168.3 D10169.3 D10170.3 D11281.3 D11282.3 D11283.3 D11284.3 D11285.3 D11286.3 D11287.3 D11288.3 D11289.3 D11290.3 D11291.3 D11292.3 D11293.3 D11294.3 D11295.3 D11296.3 D11297.3 D11298.3 D11299.3 D11300.3 D11301.3 D11302.3 D11303.3 D11304.3 D11305.3 D11306.3 D11307.3 D11308.3 D11309.3 D11310.3 D12421.3 D12422.3 D12423.3 D12424.3 D12425.3 D12426.3 D12427.3 D12428.3 D12429.3 D12430.3 D12431.3 D12432.3 D12433.3 D12434.3 D12435.3 D12436.3 D12437.3 D12438.3 D12439.3 D12440.3 D12441.3 D12442.3 D12443.3 D12444.3 D12445.3 D12446.3 D12447.3 D12448.3 D12449.3 D12450.3 D13561.3 D13562.3 D13563.3 D13564.3 D13565.3 D13566.3 D13567.3 D13568.3 D13569.3 D13570.3 D13571.3 D13572.3 D13573.3 D13574.3 D13575.3 D13576.3 D13577.3 D13578.3 D13579.3 D13580.3 D13581.3 D13582.3 D13583.3 D13584.3 D13585.3 D13586.3 D13587.3 D13588.3 D13589.3 D13590.3